# Allegro board RK3588S_Tablet_Demo_LP4XD200P232SD10H2_V11_20220218.brd (continued)
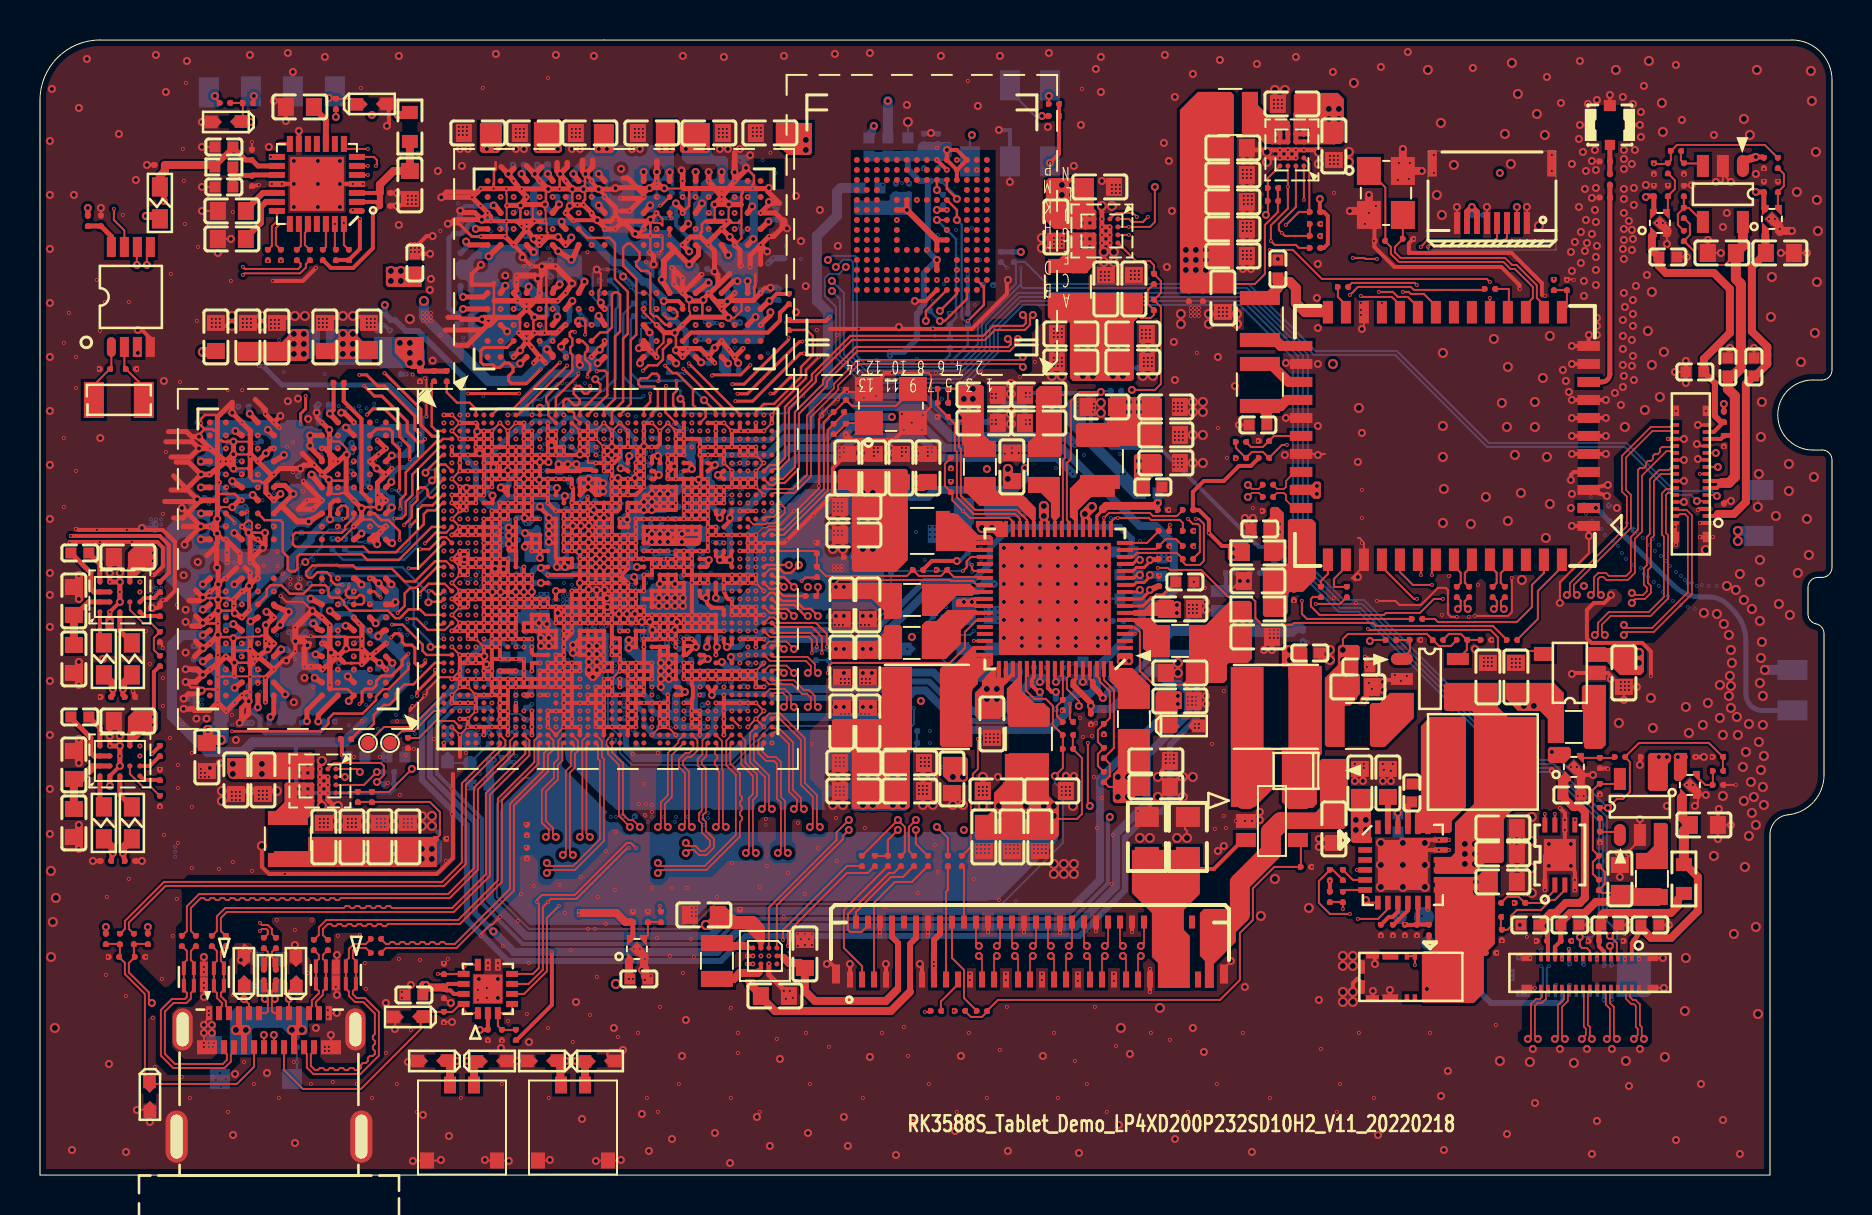
[diagram p0: board, top side]
## Routing (per net, layer and track width the routed paths; a pad name or vN(x,y) marks a point on that pad's centre or on a via; arc(x,y) is an arc through that point) (continued)
EMMC_DATA_STROBE: length 24.9
  S03 w0.064: v1(35.79,29.2) 36.04,28.95 40.69,28.95 v2(41.14,29.4)
  S08 w0.064: v3(45.19,40.7) 45.14,40.65 44.04,40.65 43.94,40.75 43.94,40.9 44.04,41 45.19,41 45.29,41.1 45.29,41.25 45.19,41.35 43.34,41.35 43.24,41.25 43.24,35.5 43.39,35.35 43.39,30.79 42.36,29.75 41.49,29.75 v2(41.14,29.4)
  BOTTOM w0.122: v3(45.19,40.7) 45.49,41 R4005.1
EMMC_RSTN: length 29.9
  TOP w0.122: v5(45.84,47.75) 45.84,48.25 U4000.K5
  S03 w0.064: v1(35.79,28.8) 35.84,28.75 40.99,28.75 v2(41.64,29.4)
  S08 w0.064: v2(41.64,29.4) 42.74,29.4 43.69,30.35 43.69,33.75 44.14,34.2 44.14,36.45 43.54,37.05 43.54,40.1 43.79,40.35 45.24,40.35 v3(45.59,40.7)
  BOTTOM w0.122: v5(45.84,47.75) 46.08,47.51 46.08,42.86 R4004.2 46.39,41.5 v3(45.59,40.7)
FLASH_LED: length 11
  TOP w0.5: v4(79.94,26.1) 79.94,25.8 C9615.1
  S03 w0.5: v4(79.94,26.1) v4(79.94,25.6) ; v4(84.89,32.2) v4(84.89,31.7)
  S03 w1: v4(79.94,26.1) 79.92,26.12 80.26,26.78 80.34,26.83 84.89,31.38 v4(84.89,31.7)
  BOTTOM w0.5: 85.92,31.95 85.92,32.2 v4(84.89,32.2)
FLASH_LED_EN: length 46
  TOP w0.1: U7003.4 75.04,26.2 73.04,26.2 72.89,26.35 72.89,26.88 72.53,27.25 66.44,27.25 v1(66.39,27.3)
  S03 w0.1: v1(66.39,27.3) 66.84,26.85 66.84,26.04 64.71,23.9 60.31,23.9 58.26,21.85 48.54,21.85 48.24,21.55 39.44,21.55 38.92,21.03 36.67,21.03 36.09,21.6 36.09,22.39 35.69,22.79 35.69,22.9 v1(35.39,23.2)
GAUGE_ALRT: length 53.3
  TOP w0.1: U2000.5 v1(76.74,17.75)
  S03 w0.075: v1(35.39,27.6) 35.4,27.6 36.07,27.6 36.36,27.31 42.05,27.31 42.14,27.4
  S03 w0.1: v1(76.74,17.75) v2(76.74,21.9) ; 42.14,27.4 43.74,29 47.14,29 v2(47.49,28.65)
  S06 w0.1: v2(76.74,21.9) 74.24,21.9 70.94,25.2 v2(70.94,26.6)
  S08 w0.1: v2(70.94,26.6) 68.39,26.6 65.44,23.65 59.41,23.65 58.71,24.35 56.73,24.35 56.56,24.35 53.71,27.2 47.97,27.2 47.49,27.68 v2(47.49,28.65)
HDMI/EDP_TX0_REXT: length 3.1
  TOP w0.1: U1000.AY3 20.7,22.7 19.79,22.7 18.94,21.85 R1708.1
HOST_WAKE_BT: length 8.5
  TOP w0.1: U6300.49 75.19,30.1 74.59,29.5 74.59,28.4 73.84,27.65 69.89,27.65 69.74,27.8 R6338.2
HOST_WAKE_BT_H: length 35.8
  TOP w0.1: R6338.1 63.34,27.8 63.09,28.05 v1(63.09,28.7) ; v1(38.84,26.4) 38.84,26.8 38.54,27.1 38.53,27.1 36.69,27.1 U1000.AH42
  S03 w0.09: 41.75,25.6 41.74,25.61 39.24,25.61 38.84,26.01 v1(38.84,26.4)
  S03 w0.1: 41.75,25.6 41.75,25.6 42.62,25.6 42.62,25.6 42.89,25.6 43.04,25.75 46.99,25.75 47.54,26.31 47.54,27 47.94,27.4 53.46,27.4 54.06,28 56.03,28 56.28,27.75 58.94,27.75 59.69,28.5 59.84,28.65 63.04,28.65 v1(63.09,28.7)
I2C0_SCL_M2: length 67
  TOP w0.1: 62.39,49 62.39,48.33 61.54,47.48 v1(61.54,46.7) 61.74,46.5 62.79,46.5 62.94,46.35 R1111.2 ; 62.39,49 v1(62.39,49.4) ; 62.39,49 U2301.A3 ; v1(38.59,26.1) 38.59,26.75 38.44,26.9 36.49,26.9 U1000.AH41 ; v1(54.44,47) U2300.A3
  S03 w0.09: v1(38.59,26.1) 38.59,26.02 39.17,25.45 41.26,25.45 41.28,25.42 41.45,25.42
  S03 w0.1: v1(54.44,47) 61.24,47 v1(61.54,46.7) ; v1(62.39,49.4) 62.9,49.4 63.49,48.81 63.49,41.65 64.24,40.9 64.24,34.15 64.44,33.95 64.44,31.89 64.44,31.85 64.24,31.65 64.24,29.5 63.05,28.3 59.78,28.3 59.03,27.55 56.19,27.55 55.94,27.8 54.37,27.8 53.77,27.2 48.05,27.2 47.79,26.95 47.79,26.28 47.07,25.55 43.29,25.55 43.14,25.4 41.89,25.4 41.87,25.42 41.68,25.42 41.67,25.43 41.46,25.43 41.45,25.42
I2C0_SDA_M2: length 57.5
  TOP w0.1: v1(54.84,47.9) 54.64,48.1 53.79,48.1 U2300.B1 ; U1000.AG41 36.2,27.6 36.48,27.88 36.71,27.88 36.87,27.72 36.98,27.6 38.79,27.6 39.34,27.05 v1(39.34,26.4) ; U2301.B1 63.47,50.58 63.47,48.18 R1112.2 62.94,48.15 v1(62.29,47.5)
  S03 w0.09: 41.9,25.96 39.68,25.96 39.46,26.18 39.46,26.29 v1(39.34,26.4)
  S03 w0.1: 41.9,25.96 41.9,25.95 42.19,25.95 42.39,26.15 46.82,26.15 47.14,26.48 47.14,27.48 47.64,27.98 47.97,28.3 53.78,28.3 54.38,28.9 55.66,28.9 56.21,29.45 58.69,31.94 58.69,32.47 58.69,33.9 61.94,37.15 61.94,45.08 62.34,45.48 62.34,47.45 v1(62.29,47.5) 62.24,47.45 55.29,47.45 v1(54.84,47.9)
I2C2_SCL_M0: length 50.1
  TOP w0.1: U2302.A3 16.19,19.5 v5(16.84,20.15)
  S03 w0.075: 37.44,24.35 37.19,24.35 36.35,25.2 36.35,25.88 36.34,25.88 36.34,25.97 36.18,26.13 36.18,26.16 35.96,26.39 35.92,26.39 35.91,26.4 v1(35.39,26.4)
  S03 w0.1: v2(43.34,24.8) 42.09,24.8 41.64,24.35 37.44,24.35
  S06 w0.1: v2(43.34,24.8) 42.99,24.45 42.99,22.89 40.54,20.44 40.54,18.2 40.79,17.95 40.79,17.11 40.73,17.04 38.29,14.6 25.68,14.6 25.53,14.75 19.58,14.75 18.93,15.4 18.69,15.64 18.69,18.6 17.39,19.9 17.09,19.9 v5(16.84,20.15)
  BOTTOM w0.1: v5(16.84,20.15) R1113.2
I2C2_SDA_M0: length 50.6
  TOP w0.1: 14.39,20.3 14.69,20.6 ; 14.69,20.6 U2302.B1 ; 14.69,20.6 17.04,20.6 17.19,20.45 17.19,20 v5(16.84,19.65)
  S03 w0.075: 37.44,23.75 37.04,23.75 35.79,25 v1(35.79,25.6)
  S03 w0.1: v2(43.34,23.9) 42.29,23.9 42.14,23.75 37.44,23.75
  S06 w0.1: v2(43.34,23.9) 43.34,22.96 43.19,22.81 43.19,22.8 40.74,20.35 40.74,18.31 40.99,18.06 40.99,17.03 40.87,16.9 40.87,16.9 38.37,14.4 25.6,14.4 25.45,14.55 19.5,14.55 18.85,15.2 18.49,15.55 18.49,18.31 17.15,19.65 v5(16.84,19.65)
  BOTTOM w0.1: R1114.2 17.09,19.65 v5(16.84,19.65)
I2C3_SCL_M1_SENSOR: length 94.9
  TOP w0.1: R1904.2 v5(50.09,52.95) ; v1(69.39,46.4) 69.49,46.5 72.99,46.5 73.35,46.86 J7002.3
  S03 w0.1: v5(50.09,52.95) 50.09,54.1 50.3,54.3 51.24,54.3 53.14,52.4 54.21,52.4 56.51,50.1 66.24,50.1 69.39,46.95 v1(69.39,46.4) 69.39,45.8 67.89,44.3 67.89,23.94 66.85,22.9 62.29,22.9 58.84,19.46 58.84,18.43 58.17,17.76 54.14,17.76 52.99,18.9 39.19,18.9 38.99,19.1 35.96,19.1 33.74,21.32 33.74,22.05 v1(33.39,22.4)
  BOTTOM w0.1: J7007.1 48.49,54.2 49.74,52.95 v5(50.09,52.95)
I2C3_SDA_M1_SENSOR: length 87.4
  TOP w0.1: v1(65.64,45.85) 66.22,45.85 66.27,45.8 v1(66.84,45.8) ; R1905.2 v5(50.44,53.95) ; v1(69.04,46.4) 69.04,46.41 69.33,46.7 72.7,46.7 72.85,46.85 J7002.4
  S03 w0.1: v5(50.44,53.95) 51.29,53.95 53.04,52.2 54.13,52.2 56.43,49.9 66.04,49.9 69.04,46.9 v1(69.04,46.4) 68.44,45.8 v1(66.84,45.8) ; v1(34.19,24.4) 34.95,24.4 36.09,23.26 36.09,23 36.49,22.6 36.49,21.71 36.8,21.4 38.69,21.4 39.34,22.05 58.18,22.05 60.23,24.1 64.63,24.1 66.14,25.62 66.14,27.55 66.74,28.15 66.74,41.05 65.74,42.05 65.74,45.1 65.64,45.2 v1(65.64,45.85)
I2C4_SCL_M3_TP: length 33
  TOP w0.1: v5(42.89,17.25) 42.39,16.75 R5515.1 R9698.1
  S03 w0.075: v1(35.39,34) 35.74,34.35 36.66,34.35 37.06,34.75
  S03 w0.1: v2(38.94,35.1) 38.59,35.45 38.04,35.45 37.74,35.15 37.46,35.15 37.06,34.75
  S06 w0.1: v5(42.89,17.25) 42.24,17.9 42.24,20.45 44.44,22.65 44.44,23.8 44.29,23.95 44.29,24.37 42.99,25.67 42.99,26.42 42.84,26.57 42.84,30.07 42.04,30.87 42.04,32.89 41.78,33.15 40.84,33.15 40.44,33.55 39.83,33.55 38.94,34.44 v2(38.94,35.1)
  S08 w0.1: v2(38.94,35.1) 39.64,35.8 39.64,37.95 v3(39.44,38.15)
  BOTTOM w0.1: R1911.2 39.44,37.8 v3(39.44,38.15)
I2C4_SDA_M3_TP: length 34.1
  TOP w0.1: R5516.1 43.24,16.15 43.24,17.4 v5(42.89,17.75) 42,16.86 R9699.1
  S03 w0.075: 36.09,36.65 36,36.55 35.24,36.55 v1(34.99,36.8)
  S03 w0.1: 36.09,36.65 36.19,36.75 36.99,36.75 37.59,37.35 38.54,37.35 v2(38.69,37.5)
  S06 w0.1: v2(38.69,37.5) 38.59,37.4 38.59,36.17 39.29,35.47 39.29,34.37 39.91,33.75 40.54,33.75 40.94,33.35 41.86,33.35 42.24,32.97 42.24,30.95 43.04,30.15 43.04,26.65 43.19,26.5 43.19,25.75 44.49,24.45 44.49,24.04 44.54,23.99 44.54,23.99 44.64,23.89 44.64,21.5 43.54,20.4 43.54,20.24 43.54,18.34 43.22,18.02 43.16,18.02 v5(42.89,17.75)
  S08 w0.1: v3(39.09,38.35) 39.09,37.9 v2(38.69,37.5)
  BOTTOM w0.1: v3(39.09,38.35) 39.09,38.05 R1910.2
I2C5_SCL_M3_CAM: length 87
  TOP w0.1: J4700.4 78.84,10.95 78.84,11.6 v5(78.49,11.95)
  S03 w0.075: 36.64,34.65 36.54,34.55 35.69,34.55 35.54,34.4 35.39,34.4 v1(34.99,34)
  S03 w0.1: 36.64,34.65 37.34,35.35 37.66,35.35 37.96,35.65 39.48,35.65 39.84,36.02 39.84,39.65 40.64,40.45 40.64,45.05 v5(40.29,45.4)
  S08 w0.1: v3(62.24,31.4) v3(62.89,31.4)
  BOTTOM w0.1: v5(78.49,11.95) 78.14,12.3 78.14,17.79 75.58,20.35 74.02,20.35 66.02,28.35 65.02,28.35 62.94,30.43 62.94,30.45 62.89,30.5 v3(62.89,31.4) 62.89,40.95 60.14,43.7 49.07,43.7 48.92,43.55 47.69,42.33 47.69,41.2 46.4,39.9 46.39,39.9 46.09,39.6 41.06,39.6 39.79,40.87 39.79,43.4 39.24,43.95 39.24,44.85 39.44,45.05 39.94,45.05 v5(40.29,45.4) ; 62.22,31.4 v3(62.24,31.4)
I2C5_SDA_M3_CAM: length 82.2
  TOP w0.1: J4700.5 78.52,10.9 78.52,11.45 v5(78.49,11.45)
  S03 w0.075: v1(34.59,36) 34.69,36.1 35.04,36.1 35.34,36.4 36.14,36.4
  S03 w0.1: 36.14,36.4 36.29,36.55 37.16,36.55 37.76,37.15 38.88,37.15 39.04,37.32 39.04,40 39.84,40.8 39.84,43.95 v5(39.59,44.2)
  S08 w0.1: v3(62.24,30.75) v3(63.14,30.75)
  BOTTOM w0.1: 62.22,30.75 v3(62.24,30.75) ; v5(39.59,44.2) 39.99,43.8 39.99,40.95 41.15,39.8 46.01,39.8 46.31,40.1 46.31,40.1 47.49,41.28 47.49,42.25 47.49,42.41 48.39,43.31 48.98,43.9 60.23,43.9 63.14,40.98 v3(63.14,30.75) 63.14,30.51 65.1,28.55 66.1,28.55 74.1,20.55 75.69,20.55 78.34,17.9 78.34,12.7 78.84,12.2 78.84,11.8 v5(78.49,11.45)
I2C6_SCL_M3: length 134.7
  TOP w0.1: U2600.6 24.43,9.55 25.14,10.27 25.14,13.4 v1(25.39,13.65) 25.54,13.8 26.82,13.8 29.37,16.35 v1(29.44,16.35) ; U2000.7 v1(75.74,18.05) ; U2102.6 4.84,46.38 v5(4.84,45.5) ; v1(65.49,13.05) 64.49,13.05 63.94,13.6 63.94,14.7 R1914.2 64.64,15.25 R9685.1
  S03 w0.1: v1(28.59,23.6) 29.69,22.5 29.69,19.83 29.14,19.28 29.14,16.65 v1(29.44,16.35) 29.44,15.7 31.14,14 45.03,14 58.83,14 60.48,12.35 63.74,12.35 64.44,13.05 v1(65.49,13.05) 66.49,13.05 68.54,11 69.88,11 71.93,13.05 75.03,13.05 75.99,14.02 75.99,17.8 v1(75.74,18.05) ; v1(25.39,13.65) v2(25.39,13.35)
  S06 w0.1: v2(25.39,13.35) 25.04,13.7 24.68,13.7 24.38,13.4 23.78,13.4 23.23,13.95 18.98,13.95 17.19,15.74 17.19,16.25 16.89,16.55 16.39,17.05 14.19,17.05 13.34,17.9 3.16,17.9 1.19,19.87 1.04,20.02 1.04,41.7 v5(4.84,45.5)
I2C6_SDA_M3: length 130.6
  TOP w0.1: v5(5.34,45.5) 5.34,46.23 U2102.5 ; U2600.7 24.64,10.05 24.94,10.35 24.94,13.55 v1(24.84,13.65) 24.84,13.75 25.09,14 26.74,14 29.34,16.6 29.55,16.6 29.69,16.46 29.69,16.45 v1(29.79,16.35) ; v1(65.14,13.3) R9686.1 R1915.2 ; U2000.8 v1(75.24,18.05)
  S03 w0.1: v1(75.24,18.05) 75.24,18 75.79,17.45 75.79,14.1 74.94,13.25 71.84,13.25 69.79,11.2 68.64,11.2 66.54,13.3 v1(65.14,13.3) 65.09,13.25 64.36,13.25 63.66,12.55 60.56,12.55 58.91,14.2 45.12,14.2 32.93,14.2 31.09,16.04 30.78,16.35 v1(29.79,16.35) 29.79,16.65 30.34,17.2 30.34,21.35 30.14,21.55 30.14,22.31 30.62,22.78 v1(30.59,22.8) ; v1(24.84,13.65) v2(24.84,13.35)
  S06 w0.1: v5(5.34,45.5) 4.99,45.85 4.7,45.85 0.84,42 0.84,19.9 3.04,17.7 13.26,17.7 14.11,16.85 16.31,16.85 16.46,16.7 16.99,16.17 16.99,15.55 18.79,13.75 23.14,13.75 23.69,13.2 24.46,13.2 24.61,13.35 v2(24.84,13.35)
I2C7_SCL_M0_CODEC: length 107.6
  TOP w0.1: U7000.28 15.19,46.5 R1510.2
  S03 w0.075: 36.59,31.95 36.4,31.95 36.25,31.8 36.14,31.8 35.96,31.61 35.92,31.61 35.76,31.45 35.19,31.45 35.09,31.35 34.84,31.35 v1(34.59,31.6)
  S03 w0.1: v1(15.19,47.6) v2(15.19,47.25) 14.84,46.9 14.55,46.9 14.34,47.11 14.34,51.84 16.61,54.1 40.29,54.1 40.74,53.65 40.74,52.72 42.39,51.07 42.39,42.12 43.34,41.17 43.34,33.84 41.76,32.25 38.13,32.25 37.83,31.95 36.59,31.95 ; v2(4.64,21.45) v1(4.99,21.45) ; v1(4.99,29.65) v2(4.64,29.65)
  S06 w0.1: v2(4.64,21.45) 4.79,21.6 4.79,28.5 4.29,29 4.29,29.3 v2(4.64,29.65)
  S08 w0.1: v2(15.19,47.25) 14.84,47.6 3.81,47.6 1.94,45.74 1.94,31.07 2.41,30.6 4.24,30.6 4.64,30.2 v2(4.64,29.65)
I2C7_SDA_M0_CODEC: length 103.9
  TOP w0.1: R1509.2 14.74,46.3 v1(14.74,47.55)
  S03 w0.075: 36.54,32.15 36.31,32.15 36.11,31.95 36.08,31.95 35.89,31.77 35.86,31.77 35.74,31.65 35.19,31.65 35.15,31.6 35.13,31.6 35.13,31.6 v1(34.99,31.6)
  S03 w0.1: v2(4.64,20.95) v1(4.99,20.95) ; v2(14.69,47.25) v1(14.74,47.55) 14.54,47.75 14.54,51.75 16.69,53.9 40.21,53.9 40.54,53.57 40.54,52.64 42.09,51.09 42.09,42.2 42.19,42.1 42.19,42.04 43.14,41.09 43.14,34.47 41.78,33.1 38.49,33.1 37.54,32.15 36.54,32.15 ; v1(4.99,29.15) v2(4.64,29.15)
  S06 w0.1: v2(4.64,29.15) 4.99,28.8 4.99,21.3 v2(4.64,20.95)
  S08 w0.1: v2(4.64,29.15) 4.99,29.5 4.99,30.15 4.34,30.8 2.49,30.8 2.14,31.15 2.14,45.65 3.89,47.4 14.54,47.4 v2(14.69,47.25)
I2C8_SCL_M2_CAM: length 73.6
  TOP w0.1: J4600.4 83.34,33.69 83.18,33.69 v5(82.84,33.7)
  S03 w0.075: 36.74,35.07 36.68,35.01 36.68,35 36.4,34.71 36.39,34.71 36.38,34.7 35.63,34.7 35.48,34.55 35.33,34.55 35.33,34.55 35.14,34.55 v1(34.59,34)
  S03 w0.1: 36.74,35.07 37.23,35.55 37.58,35.55 37.88,35.85 39.39,35.85 39.64,36.1 39.64,39.75 40.44,40.55 40.44,44.75 v5(39.79,45.4)
  S08 w0.1: v3(48.34,45.35) v3(49.04,45.35)
  BOTTOM w0.1: 49.04,44.53 49.04,44.45 49.14,44.35 60.34,44.35 63.54,41.15 63.69,41 67.76,41 72.36,36.4 79.24,36.4 81.64,34 82.54,34 v5(82.84,33.7) ; 49.04,44.53 48.67,44.15 47.09,42.58 47.09,42.08 47.09,41.45 46.3,40.65 46.29,40.65 46.14,40.5 45.84,40.2 41.31,40.2 40.64,40.87 40.64,45.65 40.54,45.75 40.14,45.75 v5(39.79,45.4) ; 49.04,44.53 v3(49.04,45.35) ; R1921.2 48.24,45.46 v3(48.34,45.35)
I2C8_SDA_M2_CAM: length 73.2
  TOP w0.1: J4600.5 83.84,34 v5(83.84,33.95)
  S03 w0.075: v1(34.99,35.6) 35.04,35.6 35.44,36 36.34,36
  S03 w0.1: v5(39.39,45.75) 39.39,45.3 39.64,45.05 39.79,45.05 40.24,44.6 40.24,40.64 39.44,39.84 39.44,37.15 39.04,36.75 37.93,36.75 37.33,36.15 36.59,36.15 36.44,36 36.34,36
  BOTTOM w0.1: v5(39.39,45.75) 39.59,45.95 40.74,45.95 40.84,45.85 40.84,40.95 41.39,40.4 45.74,40.4 46.89,41.55 46.89,42 46.89,42.66 47.79,43.56 48.79,44.56 48.79,45.65 ; v5(83.84,33.95) 83.59,34.2 81.73,34.2 79.33,36.6 72.44,36.6 67.84,41.2 63.77,41.2 60.42,44.55 50.34,44.55 49.24,45.65 48.79,45.65 ; 48.79,45.65 R1922.2 48.69,45.63
I2C_ADDR_CE: length 1.4
  TOP w0.1: R7009.1 14.29,46.4 U7000.26
I2S0_LRCK_TX: length 51.3
  TOP w0.085: U1000.P39 35.66,32.54 36.3,32.54 36.35,32.59 36.72,32.59 37.24,33.1 37.24,33.36 v1(36.99,33.6)
  TOP w0.1: U7000.7 16.69,50.9 16.84,50.75 16.84,50.5 v1(16.79,50.45)
  S03 w0.1: v1(16.79,50.45) 16.84,50.5 16.84,51.17 18.78,53.1 38.51,53.1 41.04,50.57 41.04,39.7 41.16,39.59 41.44,39.3 41.44,38.77 40.24,37.57 40.24,35.5 40.39,35.35 40.39,34.87 39.88,34.35 37.95,34.35 37.2,33.6 v1(36.99,33.6)
I2S0_MCLK: length 59.8
  S03 w0.1: v1(34.19,31.6) 34.19,32.1 34.44,32.35 37.44,32.35 38.44,33.35 41.74,33.35 42.94,34.55 42.94,41 41.84,42.1 41.84,51.05 40.34,52.55 40.34,53.49 40.13,53.7 16.8,53.7 15.64,52.55 v1(15.64,48.25)
I2S0_SCLK_TX: length 48.1
  TOP w0.1: U7000.5 v1(16.39,50)
  S03 w0.075: v1(36.59,33.6) 36.84,33.85 37.06,33.85 37.11,33.9 37.19,33.9 37.29,34
  S03 w0.1: v1(16.39,50) 16.74,50 17.04,50.3 17.04,51.09 18.86,52.9 38.43,52.9 40.84,50.49 40.84,39.62 40.96,39.5 41.24,39.22 41.24,38.85 40.04,37.65 40.04,35.41 40.19,35.26 40.19,34.95 39.8,34.55 37.84,34.55 37.29,34
I2S0_SDI0: length 50.8
  TOP w0.1: v1(16.39,51.3) 15.19,51.3 U7000.8
  S03 w0.075: 37.19,33 37.14,32.95 36.84,32.95 v1(36.59,33.2)
  S03 w0.1: v1(16.39,51.3) 16.44,51.35 16.44,52.1 17.84,53.5 38.74,53.5 41.44,50.8 41.44,39.87 41.84,39.47 41.84,38.6 40.64,37.4 40.64,35.68 40.79,35.53 40.79,34.7 40.04,33.95 38.14,33.95 37.19,33
I2S0_SDO0: length 49.8
  TOP w0.1: U7000.6 v1(16.39,50.45) ; U1000.P41 36.29,32.9 36.69,32.9 v1(36.99,33.2)
  S03 w0.1: v1(36.99,33.2) 37.15,33.36 37.26,33.36 38.05,34.15 39.96,34.15 40.59,34.79 40.59,35.43 40.44,35.58 40.44,37.49 41.64,38.69 41.64,39.39 41.24,39.79 41.24,50.65 38.59,53.3 18.7,53.3 16.64,51.25 16.64,50.7 v1(16.39,50.45)
I2S2_LRCK_M1_BT: length 57.1
  TOP w0.1: U1000.AW37 v1(34.99,22.4) ; U6300.21 68.04,43.14 68.04,43.45 67.59,43.9 66.09,43.9 v1(66.04,43.95)
  S03 w0.1: v1(34.99,22.4) 35.39,22.4 35.69,22.1 35.69,21.37 36.46,20.6 39.09,20.6 39.64,21.15 57.84,21.15 60.39,23.7 64.79,23.7 67.04,25.96 67.04,41.47 66.44,42.07 66.44,43.7 66.19,43.95 v1(66.04,43.95)
I2S2_SCLK_M1_BT: length 59.6
  TOP w0.1: v1(67.09,43.6) U6300.22
  S03 w0.1: v1(67.09,43.6) 67.69,43 67.69,24.03 66.77,23.1 62.2,23.1 58.64,19.54 58.64,18.52 58.09,17.96 54.24,17.96 53.09,19.1 39.29,19.1 39.09,19.3 36.05,19.3 33.99,21.36 33.99,22.21 v1(33.79,22.4)
I2S2_SDI_M1_BT: length 65.1
  TOP w0.1: U6300.19 69.79,43.45 69.19,44.05 68.54,44.05 68.44,44.15 v1(68.14,44.15)
  S03 w0.075: 33.54,21.7 33.54,21.92 33.16,22.3 33.16,22.57 v1(33.39,22.8)
  S03 w0.1: v1(68.14,44.15) 68.14,23.91 66.94,22.7 62.37,22.7 59.04,19.38 59.04,18.35 58.25,17.55 47.01,17.55 45.86,16.4 38.96,16.4 37.41,17.95 35.95,17.95 35.74,18.16 35.74,18.88 33.54,21.08 33.54,21.7
I2S2_SDO_M1_BT: length 62.2
  TOP w0.1: U6300.20 68.89,43.4 68.39,43.9 67.89,43.9 67.64,44.15 v1(66.94,44.15)
  S03 w0.1: v1(66.94,44.15) 66.84,44.05 66.84,42.25 67.49,41.6 67.49,24.11 66.69,23.3 62.12,23.3 58.44,19.63 58.44,18.6 58,18.16 57.04,18.16 56.34,18.85 56.34,19.02 56.06,19.3 39.38,19.3 39.13,19.55 36.08,19.55 34.17,21.46 34.17,22.43 v1(33.79,22.8)
LCD_BL_PWM14_M1: length 34.5
  S03 w0.1: v1(45.69,8.2) 44.89,8.2 44.49,8.6 28.81,8.6 27.69,9.72 27.69,16 27.34,16.35 26.39,16.35 26.14,16.6 26.14,21.65 26.44,21.95 26.44,23.35 v1(25.79,24)
LCD_ENN_H: length 33.7
  TOP w0.1: J7012.A1 36.84,13.49 40.15,16.79 40.15,16.96 v5(40.44,17.25)
  S03 w0.075: v1(35.79,33.6) 36.29,34.1 36.54,34.1 36.6,34.15 36.85,34.15 36.94,34.25
  S03 w0.1: v2(38.24,35.1) 38.09,34.95 37.64,34.95 36.94,34.25
  S06 w0.1: v2(38.24,35.1) 38.39,34.95 38.39,34.42 38.54,34.27 39.66,33.15 40.26,33.15 40.54,32.87 40.54,30.87 40.86,30.55 41.79,30.55 42.44,29.9 42.44,26.4 42.59,26.25 42.59,23.05 40.04,20.5 39.4,20.5 39.04,20.15 39.04,19.99 39.04,19.99 39.04,18.2 39.44,17.8 39.79,17.8 40.34,17.25 v5(40.44,17.25)
LCD_ENP_H: length 35.3
  TOP w0.1: v5(40.44,17.75) 39.83,17.14 39.83,16.75 36.44,13.37 J7012.B1
  S03 w0.075: v1(35.39,35.6) 35.64,35.85 36.25,35.85 36.26,35.84 36.29,35.84 36.33,35.8 36.44,35.8
  S03 w0.1: 36.44,35.8 36.54,35.8 36.69,35.95 37.41,35.95 37.86,36.4 v2(38.09,36.4)
  S06 w0.1: v2(38.09,36.4) 38.09,35.75 38.59,35.25 38.59,34.5 38.74,34.35 39.75,33.35 40.34,33.35 40.74,32.95 40.74,32.79 40.74,30.95 40.94,30.75 41.88,30.75 42.64,29.99 42.64,26.49 42.79,26.34 42.79,22.97 40.13,20.3 39.48,20.3 39.24,20.07 39.24,18.34 39.53,18.05 40.14,18.05 v5(40.44,17.75)
LCD_PWREN_H: length 10.8
  TOP w0.1: v1(30.99,13.45) 30.99,13.2 R9694.1
  S03 w0.1: v1(30.99,13.45) 28.74,15.7 28.74,21.05 v1(27.39,22.4)
LCD_RESET_L: length 29
  TOP w0.1: v5(44.84,17.4) 45.39,16.85 R5512.1
  S03 w0.075: v1(35.39,35.2) 35.69,34.9 36.02,34.9 36.05,34.87 36.33,34.87 36.53,35.06 36.53,35.07 36.54,35.09 36.54,35.15 36.64,35.25
  S03 w0.1: 36.64,35.25 37.14,35.75 37.5,35.75 37.8,36.05 38.79,36.05 39.14,36.4 v2(39.29,36.5)
  S06 w0.1: v2(39.29,36.5) 39.29,36.25 40.84,34.7 42.24,34.7 42.84,34.1 42.84,31.2 43.64,30.4 43.64,30.07 45.14,28.57 45.14,24.24 45.24,24.14 45.24,18.2 44.84,17.8 v5(44.84,17.4)
LEDA: length 7.6
  TOP w0.3: 59.47,12.53 58.2,12.53 58.2,12.65
  TOP w1: 62.04,17.65 61.54,17.15 61.54,16.15 59.99,14.6 59.99,13.05 59.47,12.53
LEDK: length 4.3
  TOP w0.2: 57.24,15.9 57.24,15.3 58.69,15.3 60.14,16.75 U5602.3
LOUT2: length 31.6
  TOP w0.2: C9624.1 6.44,30.1 6.44,31.5 5.99,31.95 v1(1.54,31.95) ; U7000.15 v1(11.54,50.9)
  S03 w0.2: v1(11.54,50.9) 11.54,49.63 6.07,44.15 4.33,44.15 1.49,41.32 1.49,32 v1(1.54,31.95)
MIC1N: length 129.5
  TOP w0.1: C7010.2 13.03,45.56 13.03,45.42 12.91,45.3 10.24,45.3 v1(10.14,45.4)
  S03 w0.1: v1(10.14,45.4) 10.04,45.3 8.76,45.3 7.06,43.6 4.84,43.6 2.04,40.8 2.04,30.93 2.44,30.53 2.44,23.09 3.03,22.5 4.92,22.5 6.44,20.98 6.44,15.79 3.84,13.19 3.84,6.28 6.72,3.4 67.33,3.4 67.49,3.4 74.34,10.25 74.99,10.25 75.39,10.64 v2(75.49,10.75)
  S08 w0.1: v2(75.49,10.75) v3(75.44,10.45)
  BOTTOM w0.1: v3(75.44,10.45) 75.34,10.34 75.34,9.34 75.42,9.25 J7014.2
MIC1P: length 128.9
  TOP w0.1: C7009.2 13.29,45.55 13.29,45.37 13,45.08 10.22,45.08 v1(10.14,45)
  S03 w0.1: v1(10.14,45) 10.04,45.1 8.84,45.1 7.14,43.4 4.93,43.4 2.24,40.72 2.24,31.01 2.66,30.59 2.66,23.15 3.11,22.7 5,22.7 6.64,21.06 6.64,15.71 4.04,13.11 4.04,6.36 6.8,3.6 67.41,3.6 74.26,10.45 74.91,10.45 75.1,10.64 v2(74.99,10.75)
  S08 w0.1: v3(75.04,10.45) v2(74.99,10.75)
  BOTTOM w0.1: v3(75.04,10.45) 75.14,10.36 75.14,9.32 75.07,9.25 J7014.1
MIC2N: length 118.8
  S03 w0.1: v2(74.94,11.55) 74.89,11.6 74.68,11.6 67.18,4.1 7.01,4.1 4.54,6.57 4.54,12.9 7.14,15.5 7.14,21.67 6.39,22.42 6.39,33.84 6.54,33.99 6.54,42.09 8.81,44.35 10.41,44.35 11.39,45.34 v1(11.39,45.7)
  S08 w0.1: v2(74.94,11.55) v3(75.04,11.25)
  BOTTOM w0.1: J7014.24 75.07,11.23 v3(75.04,11.25)
MIC2P: length 119.3
  S03 w0.1: v2(75.44,11.6) 75.14,11.9 74.7,11.9 67.1,4.3 7.09,4.3 4.74,6.65 4.74,12.82 7.34,15.42 7.34,21.75 6.59,22.5 6.59,33.75 6.74,33.9 6.74,42.01 8.89,44.15 10.49,44.15 v1(12.04,45.7)
  S08 w0.1: v2(75.44,11.6) v3(75.39,11.25)
  BOTTOM w0.1: J7014.23 75.39,10.91 v3(75.39,11.25)
MIPI_CAM1_CLKOUT: length 50.1
  TOP w0.1: J4700.11 v1(76.44,11.3)
  S03 w0.1: v2(57.69,18.9) 57.69,19.05 57.44,19.3 57.06,19.3 55.86,20.5 39.63,20.5 39.33,20.2 36.29,20.2 34.74,21.75 34.74,23.05 v1(34.59,23.2) ; v1(76.44,11.3) v2(76.79,11.3)
  S08 w0.1: v2(76.79,11.3) 75.49,12.6 74.79,12.6 72.94,14.45 72.94,16.35 70.39,18.9 v2(57.69,18.9)
MIPI_CAM1_PWREN_H: length 84.9
  TOP w0.1: R4734.1 v5(78.39,18.35) 78.84,18.8 79.14,18.8 79.49,19.15 79.49,20.65 R4733.1 79.94,21.6 83.44,21.6 R4760.1 R4740.1
  S03 w0.075: v1(34.59,35.6) 34.89,35.9 35.1,35.9 35.4,36.2 35.59,36.2
  S03 w0.1: v5(39.59,44.7) 40.04,44.25 40.04,40.72 39.24,39.92 39.24,37.24 38.96,36.95 37.84,36.95 37.24,36.35 36.39,36.35 36.24,36.2 35.59,36.2
  BOTTOM w0.1: v5(78.39,18.35) 75.99,20.75 74.19,20.75 66.19,28.75 65.19,28.75 63.39,30.55 63.39,41.02 63.34,41.07 60.31,44.1 48.9,44.1 48.75,43.95 47.29,42.5 47.29,42.17 47.29,41.37 46.28,40.35 46.28,40.35 46.23,40.3 45.93,40 41.23,40 40.19,41.04 40.19,44.1 v5(39.59,44.7)
MIPI_CAM1_RST_L: length 76.2
  TOP w0.1: v5(76.99,11.9) 76.99,11.45 77.09,11.35 77.34,11.35 77.49,11.2 J4700.8
  S03 w0.1: v2(42.39,39.35) 42.39,38.3 42.04,37.95 42.04,33.94 41.66,33.55 38.36,33.55 37.36,32.55 36.05,32.55 35.39,33.21 35.39,33.21 v1(34.99,33.6)
  S08 w0.1: v3(42.69,39.35) v2(42.39,39.35)
  BOTTOM w0.1: v5(76.99,11.9) 77.59,11.9 77.94,12.25 77.94,17.7 75.49,20.15 73.94,20.15 65.94,28.15 64.94,28.15 62.64,30.45 62.64,40.85 59.99,43.5 49.15,43.5 49,43.35 49,43.35 48.79,43.15 47.89,42.25 47.89,41.12 46.48,39.7 46.48,39.7 46.13,39.35 v3(42.69,39.35)
MIPI_CAM3_CLKOUT: length 62.9
  TOP w0.1: J4600.11 v5(83.79,36.1)
  S03 w0.1: v1(35.39,24.4) 36.44,23.35 36.44,23.05 36.99,22.5 36.99,22.25 37.39,21.85 38.58,21.85 39.18,22.45 57.94,22.45 60.09,24.6 64.56,24.6 65.74,25.79 65.74,27.75 66.34,28.35 66.34,36.35 v2(66.09,36.6)
  S08 w0.1: v2(66.09,36.6) 78.75,36.6 79.2,36.15 83.74,36.15 v5(83.79,36.1)
MIPI_CAM3_PDN_L: length 77.6
  TOP w0.1: J4600.9 v5(83.89,35.4)
  S03 w0.075: 31.44,22 31.41,22.04 31.41,22.81 v1(31.79,23.2)
  S03 w0.1: 31.44,22 31.44,20.75 33.04,19.15 33.04,17.01 35.25,14.8 46.54,14.8 47.69,15.95 53.55,15.95 54.25,15.25 59.05,15.25 60.64,16.84 60.64,18.71 63.03,21.1 67.6,21.1 69.89,23.4 69.89,30.1 69.14,30.85 v2(69.14,34.3)
  S08 w0.1: v5(83.89,35.4) 83.49,35 82.99,35 82.79,35.2 69.34,35.2 69.14,35 v2(69.14,34.3)
MIPI_CAM3_PWREN_H: length 87.4
  TOP w0.1: v1(80.69,50.55) 81.36,50.55 R4639.1 81.54,50.73 R4644.1 81.84,51.5 86.24,51.5 R4638.1
  S03 w0.075: 33.34,21.55 33.34,21.88 33.01,22.22 33.01,22.81 v1(33.39,23.2)
  S03 w0.1: v1(80.69,50.55) v2(80.34,50.55) ; 33.34,21.55 33.34,21 35.49,18.85 35.49,18.13 35.87,17.75 37.33,17.75 38.88,16.2 45.95,16.2 47.1,17.35 58.33,17.35 59.24,18.27 59.24,19.29 62.45,22.5 67.02,22.5 68.39,23.88 68.39,44.41 69.69,45.7 70.14,45.7 72.99,48.56 v5(72.99,50.1)
  S06 w0.1: v5(72.99,50.1) 73.24,49.85 79.64,49.85 v2(80.34,50.55)
MIPI_CAM3_RST_L: length 72
  TOP w0.1: J4600.8 v1(82.99,35.05)
  S03 w0.075: v1(33.39,23.6) 32.85,23.06 32.85,22.15 33.14,21.86 33.14,21.65
  S03 w0.1: 33.14,21.65 33.14,20.92 35.29,18.77 35.29,18.04 35.78,17.55 37.24,17.55 38.79,16 46.03,16 47.18,17.15 54.04,17.15 54.75,16.45 57.71,16.45 59.44,18.18 59.44,19.21 62.54,22.3 67.1,22.3 68.59,23.79 68.59,34.9 v2(68.74,35.05) ; v1(82.99,35.05) v2(83.19,35.35)
  S08 w0.1: v2(83.19,35.35) 83.14,35.4 69.09,35.4 v2(68.74,35.05)
MIPI_CSI0_RX_CLK0N: length 58.5
  TOP w0.084: J4600.22 81.59,35.4 81.45,35.26 80.96,35.26 80.49,34.79 80.49,32.05 80.34,31.9 80.34,30.49 80.19,30.34 80.19,29.52 80.34,29.37 80.34,29.19 80.16,29 79.69,29 v5(79.59,29.1) ; U1000.AN41 36.46,25.47 37.33,25.47 v5(37.69,25.1)
  S08 w0.064: v5(37.69,25.1) 37.59,25 37.59,24.78 37.16,24.35 37.16,24.21 37.3,24.07 37.45,24.07 37.84,24.45 38.23,24.45 38.63,24.05 40.54,24.05 40.79,23.8 40.79,23.09 41.03,22.85 41.38,22.85 41.59,22.64 41.59,22.29 42.13,21.75 69.74,21.75 76.54,28.55 78.71,28.55 79.16,29.01 79.5,29.01 v5(79.59,29.1)
MIPI_CSI0_RX_CLK0P: length 58.1
  TOP w0.084: v5(37.19,25.1) 37.19,25.19 37.12,25.27 36.66,25.27 U1000.AN42 ; J4600.23 81.04,35.05 80.69,34.7 80.69,31.97 80.54,31.82 80.54,30.4 80.39,30.25 80.39,29.6 80.54,29.45 80.54,29.1 80.24,28.8 79.75,28.8 79.59,28.64 v5(79.59,28.6)
  S08 w0.064: v5(37.19,25.1) 37.28,25.1 37.38,25 37.38,24.87 36.94,24.44 36.94,24.12 37.21,23.85 37.54,23.85 37.93,24.24 38.14,24.24 38.54,23.84 39.06,23.84 39.21,23.68 39.37,23.68 39.53,23.84 40.45,23.84 40.58,23.71 40.58,23 40.94,22.64 41.29,22.64 41.38,22.55 41.38,22.38 41.38,22.2 42.04,21.54 69.83,21.54 76.63,28.34 78.8,28.34 79.25,28.79 79.48,28.79 79.59,28.68 v5(79.59,28.6)
